# Altium PCB 磁导航.PcbDoc (part 2 of 3)
Units mm, origin at the board's own origin, x right, y up, seen from the top; angles counter-clockwise.
Board outline 190 x 34 mm, 2 copper layers (Top Layer, Bottom Layer); 294 components, 233 nets, 993 pads, 221 vias.
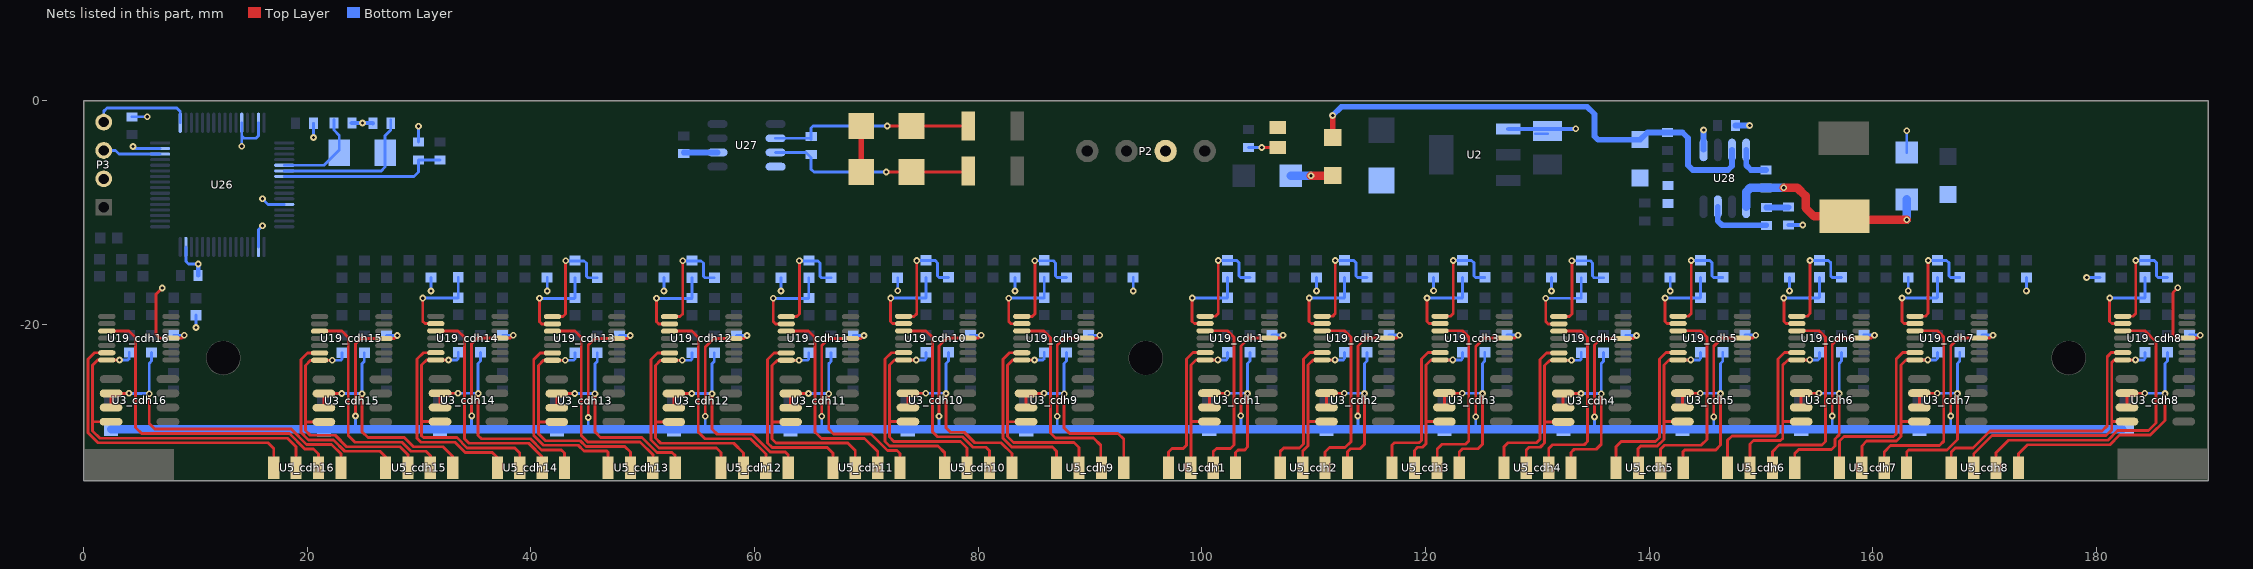
[diagram p2: the nets of this part, all layers, seen from the top]

## Via types
v1: diameter 0.6, hole 0.3, Top Layer to Bottom Layer, tented both sides, 158 vias
v2: diameter 0.6, hole 0.3, Top Layer to Bottom Layer, 47 vias
v3: diameter 0.5, hole 0.3, Top Layer to Bottom Layer, 15 vias
v4: diameter 1, hole 0.5, Top Layer to Bottom Layer, 1 vias

## Nets (pads, with @x,y where several pads share a name; then routed paths per layer and width w, separated by ;. In a path a pad name is that pad's centre, name@x,y a point inside that pad or via, vN(x,y) a via of type N, cw(c..) or ccw(c..) an arc to the next point about the centre after c; other vN are vias at no path point) (continued)
GND: C2_cdh1.1 C2_cdh2.1 C2_cdh3.1 C2_cdh4.1 C2_cdh5.1 C2_cdh6.1 C2_cdh7.1 C2_cdh8.1 C2_cdh9.1 C2_cdh10.1 C2_cdh11.1 C2_cdh12.1 C2_cdh13.1 C2_cdh14.1 C2_cdh15.1 C2_cdh16.1 C12.2 C13.2 C15.2 C16.2 C17.2 C18.1 C19.2 C20.2 C21.1 C22.2 D10.K D12.1 D13.1 D14.1 D15.1 P2.2 P3.2 R20_cdh1.1 R20_cdh2.1 R20_cdh3.1 R20_cdh4.1 R20_cdh5.1 R20_cdh6.1 R20_cdh7.1 R20_cdh8.1 R20_cdh9.1 R20_cdh10.1 R20_cdh11.1 R20_cdh12.1 R20_cdh13.1 R20_cdh14.1 R20_cdh15.1 R20_cdh16.1 R26_cdh1.1 R26_cdh2.1 R26_cdh3.1 R26_cdh4.1 R26_cdh5.1 R26_cdh6.1 R26_cdh7.1 R26_cdh8.1 R26_cdh9.1 R26_cdh10.1 R26_cdh11.1 R26_cdh12.1 R26_cdh13.1 R26_cdh14.1 R26_cdh15.1 R26_cdh16.1 R109.2 R110.2 R111.2 R112.2 U2.1 U19_cdh1.11 U19_cdh2.11 U19_cdh3.11 U19_cdh4.11 U19_cdh5.11 U19_cdh6.11 U19_cdh7.11 U19_cdh8.11 U19_cdh9.11 U19_cdh10.11 U19_cdh11.11 U19_cdh12.11 U19_cdh13.11 U19_cdh14.11 U19_cdh15.11 U19_cdh16.11 U26.12 U26.18 U26.31 U26.47 U26.60 U26.63 U27.2 U27.8 U28.5 | length 433.9
  Top Layer w0.254: v1(7.036,-16.739) 6.477,-17.297 6.477,-20.879 6.833,-21.234 U19_cdh16.11@7.828,-21.234 8.738,-21.234 v1(9,-20.972) ; v2(24.315,-28.187) 24.315,-21.729 24.791,-21.253 U19_cdh15.11@26.855,-21.253 27.788,-21.253 v1(28.05,-20.991) ; v1(34.703,-28.181) 34.703,-21.729 35.205,-21.228 U19_cdh14.11@37.243,-21.228 38.151,-21.228 v1(38.413,-20.966) ; v1(45.124,-28.326) 45.124,-21.849 45.72,-21.253 U19_cdh13.11@47.683,-21.253 48.616,-21.253 v1(48.878,-20.991) ; v1(55.589,-28.199) 55.589,-22.027 56.363,-21.253 U19_cdh12.11@58.148,-21.253 59.061,-21.253 v1(59.323,-20.991) ; v1(66.003,-28.199) 66.003,-21.9 66.65,-21.253 U19_cdh11.11@68.587,-21.253 69.52,-21.253 v1(69.782,-20.991) ; v1(76.493,-28.199) 76.493,-21.925 77.191,-21.228 U19_cdh10.11@79.077,-21.228 80.01,-21.228 v1(80.272,-20.966) ; v1(87.06,-28.199) 87.06,-21.849 87.674,-21.234 U19_cdh9.11@89.641,-21.234 90.595,-21.234 v1(90.857,-20.972) ; v1(103.48,-28.169) 103.48,-21.92 104.177,-21.223 U19_cdh1.11@106.038,-21.223 106.982,-21.223 v1(107.244,-20.961) ; v2(113.944,-28.194) 113.944,-21.92 114.642,-21.223 U19_cdh2.11@116.503,-21.223 117.436,-21.223 v1(117.698,-20.961) ; v2(124.485,-28.251) 124.485,-21.971 125.234,-21.223 U19_cdh3.11@127.044,-21.223 128.002,-21.223 v1(128.264,-20.961) ; v2(135.103,-28.27) 135.103,-21.844 135.699,-21.248 U19_cdh4.11@137.661,-21.248 138.594,-21.248 v1(138.856,-20.986) ; v2(145.771,-28.27) 145.771,-21.946 146.494,-21.223 U19_cdh5.11@148.329,-21.223 149.262,-21.223 v1(149.524,-20.961) ; v1(156.362,-28.194) 156.362,-21.793 156.933,-21.223 U19_cdh6.11@158.946,-21.223 159.879,-21.223 v1(160.141,-20.961) ; v1(166.954,-28.194) 166.954,-21.92 167.652,-21.223 U19_cdh7.11@169.513,-21.223 170.471,-21.223 v1(170.733,-20.961) ; v1(187.249,-16.713) 186.817,-17.145 186.817,-20.879 187.161,-21.223 U19_cdh8.11@188.08,-21.223 189.013,-21.223 v1(189.275,-20.961)
  Top Layer w0.508: D14.1@69.53,-6.375 D15.1@69.53,-2.261
  Bottom Layer w0.254: C13.2@4.343,-1.435 v2(5.702,-1.435) ; v2(4.421,-4.089) 4.6,-4.268 U26.47@6.845,-4.268 ; R26_cdh16.1@8.064,-20.972 v1(9,-20.972) ; U26.31@9.145,-13.068 9.145,-14.352 9.385,-14.592 v2(10.249,-14.592) ; v1(10.058,-20.274) R20_cdh16.1@10.058,-19.164 ; U26.60@14.145,-1.968 14.145,-3.147 ; v2@14.148,-4.064 v2(14.145,-4.061) 14.145,-3.147 ; U26.18@15.645,-13.068 15.645,-11.533 v2(16.002,-11.176) ; U26.63@15.645,-1.968 15.645,-3.135 15.427,-3.353 14.351,-3.353 14.145,-3.147 ; v2(16.002,-8.763) 16.507,-9.268 U26.12@17.945,-9.268 ; v2(20.561,-3.289) C15.2@20.561,-2.016 ; 24.315,-29.349 v2(24.315,-28.187) ; R26_cdh15.1@27.091,-20.991 v1(28.05,-20.991) ; C18.1@29.947,-3.696 v2(29.947,-2.286) ; v1(31.066,-17.016) R20_cdh15.1@31.066,-15.807 ; 34.703,-29.233 v1(34.703,-28.181) ; R26_cdh14.1@37.48,-20.966 v1(38.413,-20.966) ; v1(41.455,-17.016) R20_cdh14.1@41.455,-15.807 ; 45.124,-29.266 v1(45.124,-28.326) ; R26_cdh13.1@47.919,-20.991 v1(48.878,-20.991) ; v1(51.894,-17.016) R20_cdh13.1@51.894,-15.807 ; 55.589,-29.317 v1(55.589,-28.199) ; R26_cdh12.1@58.384,-20.991 v1(59.323,-20.991) ; v1(62.357,-17.018) R20_cdh12.1@62.357,-15.832 ; 66.003,-29.291 v1(66.003,-28.199) ; R26_cdh11.1@68.823,-20.991 v1(69.782,-20.991) ; v1(72.796,-16.993) R20_cdh11.1@72.796,-15.832 ; 76.493,-29.342 v1(76.493,-28.199) ; R26_cdh10.1@79.314,-20.966 v1(80.272,-20.966) ; v1(83.289,-17.016) R20_cdh10.1@83.289,-15.807 ; 87.06,-29.367 v1(87.06,-28.199) ; R26_cdh9.1@89.878,-20.972 v1(90.857,-20.972) ; v1(93.853,-17.018) R20_cdh9.1@93.853,-15.807 ; 103.48,-29.286 v1(103.48,-28.169) ; R26_cdh1.1@106.274,-20.961 v1(107.244,-20.961) ; v1(110.25,-17.004) R20_cdh1.1@110.25,-15.807 ; 113.919,-29.337 113.944,-29.312 v2(113.944,-28.194) ; R26_cdh2.1@116.739,-20.961 v1(117.698,-20.961) ; v1(120.714,-16.979) R20_cdh2.1@120.714,-15.807 ; 124.471,-29.362 124.485,-29.348 v2(124.485,-28.251) ; R26_cdh3.1@127.28,-20.961 v1(128.264,-20.961) ; C20.2@129.834,-2.946 C20.2@130.901,-2.946 ; v1(131.255,-17.006) R20_cdh3.1@131.255,-15.807 ; 135.103,-29.337 v2(135.103,-28.27) ; R26_cdh4.1@137.897,-20.986 v1(138.856,-20.986) ; v1(141.873,-17.016) R20_cdh4.1@141.873,-15.807 ; 145.771,-29.312 v2(145.771,-28.27) ; R26_cdh5.1@148.565,-20.961 v1(149.524,-20.961) ; v1(152.541,-17.004) R20_cdh5.1@152.541,-15.807 ; 156.362,-29.337 v1(156.362,-28.194) ; R26_cdh6.1@159.183,-20.961 v1(160.141,-20.961) ; D12.1@163.017,-4.631 v2(163.017,-2.692) ; v1(163.158,-17.004) R20_cdh6.1@163.158,-15.807 ; 166.954,-29.286 v1(166.954,-28.194) ; R26_cdh7.1@169.749,-20.961 v1(170.733,-20.961) ; v1(173.724,-17.004) R20_cdh7.1@173.724,-15.807 ; v1(179.103,-15.807) R20_cdh8.1@180.289,-15.807 ; R26_cdh8.1@188.316,-20.961 v1(189.275,-20.961)
  Bottom Layer w0.381: C12.2@10.249,-15.621 v2(10.249,-14.592) ; C17.2@23.989,-1.99 25.845,-1.99 C16.2@25.87,-2.016 ; U2.1@127.398,-2.526 133.398,-2.526 v2(133.415,-2.509) ; R112.2@152.451,-11.112 v2(153.734,-11.112)
  Bottom Layer w0.508: C19.2@53.67,-4.635 53.683,-4.623 U27.2@56.684,-4.623 ; U28.5@144.856,-4.394 v2(144.856,-2.616) ; R111.2@147.714,-2.21 v2(148.971,-2.21)
  Bottom Layer w0.762: C2_cdh16.1@2.464,-29.362 19.66,-29.362 19.665,-29.367 C2_cdh15.1@21.502,-29.367 C2_cdh14.1@31.866,-29.367 C2_cdh13.1@42.33,-29.367 C2_cdh12.1@52.795,-29.367 C2_cdh11.1@63.209,-29.367 C2_cdh10.1@73.699,-29.367 C2_cdh9.1@84.291,-29.367 87.06,-29.367 ; 85.217,-29.362 C2_cdh1.1@100.66,-29.362 C2_cdh2.1@111.15,-29.362 C2_cdh3.1@121.691,-29.362 124.471,-29.362 C2_cdh4.1@132.334,-29.362 C2_cdh5.1@142.977,-29.362 C2_cdh6.1@153.594,-29.362 C2_cdh7.1@164.16,-29.362 C2_cdh8.1@182.27,-29.362
  other v2: 24.943,-1.99
H1_IN1_cdh1: R6_cdh1.1 U3_cdh1.2 U3_cdh1.3 U5_cdh1.4 | length 16
  Top Layer w0.254: U3_cdh1.3@100.674,-27.42 U3_cdh1.2@100.674,-26.15 v1(102.274,-26.15) ; U3_cdh1.3@101.019,-27.384 U3_cdh1.3@101.07,-27.435 ; U5_cdh1.4@103.048,-32.791 U5_cdh1.4@103.007,-32.832 103.007,-31.46 103.251,-31.217 103.835,-31.217 104.077,-30.974 v1(104.077,-26.176)
  Bottom Layer w0.254: v1(102.274,-26.15) 104.052,-26.15 v1(104.077,-26.176) 104.077,-23.483 104.287,-23.274 R6_cdh1.1@104.287,-22.501
H1_IN1_cdh2: R6_cdh2.1 U3_cdh2.2 U3_cdh2.3 U5_cdh2.4 | length 16.3
  Top Layer w0.254: U3_cdh2.3@111.139,-27.42 U3_cdh2.2@111.139,-26.15 v1(112.739,-26.15) ; U3_cdh2.3@111.484,-27.384 U3_cdh2.3@111.534,-27.435 ; U5_cdh2.4@113.01,-32.829 113.01,-31.389 113.284,-31.115 114.148,-31.115 114.542,-30.72 v1(114.542,-26.176)
  Bottom Layer w0.254: v1(112.739,-26.15) 114.517,-26.15 v1(114.542,-26.176) 114.542,-23.483 114.752,-23.274 R6_cdh2.1@114.752,-22.501
H1_IN1_cdh3: R6_cdh3.1 U3_cdh3.2 U3_cdh3.3 U5_cdh3.4 | length 16.8
  Top Layer w0.254: U3_cdh3.3@121.68,-27.42 U3_cdh3.2@121.68,-26.15 v1(123.28,-26.15) ; U3_cdh3.3@122.025,-27.384 U3_cdh3.3@122.075,-27.435 ; U5_cdh3.4@123.007,-32.832 123.007,-31.42 123.312,-31.115 124.689,-31.115 125.083,-30.72 v1(125.083,-26.176)
  Bottom Layer w0.254: v1(123.28,-26.15) 125.058,-26.15 v1(125.083,-26.176) 125.083,-23.483 125.293,-23.274 R6_cdh3.1@125.293,-22.501
H1_IN1_cdh4: R6_cdh4.1 U3_cdh4.2 U3_cdh4.3 U5_cdh4.4 | length 17.4
  Top Layer w0.254: U3_cdh4.3@132.297,-27.446 U3_cdh4.2@132.297,-26.176 v1(133.897,-26.176) ; U3_cdh4.3@132.642,-27.41 U3_cdh4.3@132.693,-27.46 ; U5_cdh4.4@133.007,-32.832 133.007,-31.445 133.287,-31.166 135.255,-31.166 135.7,-30.72 v1(135.7,-26.201)
  Bottom Layer w0.254: v1(133.897,-26.176) 135.675,-26.176 v1(135.7,-26.201) 135.7,-23.509 135.91,-23.299 R6_cdh4.1@135.91,-22.526
H1_IN1_cdh5: R6_cdh5.1 U3_cdh5.2 U3_cdh5.3 U5_cdh5.4 | length 18.2
  Top Layer w0.254: U3_cdh5.3@142.965,-27.42 U3_cdh5.2@142.965,-26.15 v1(144.565,-26.15) ; U5_cdh5.4@143.007,-32.832 143.007,-31.389 143.18,-31.217 145.948,-31.217 146.368,-30.797 v1(146.368,-26.176) ; U3_cdh5.3@143.31,-27.384 U3_cdh5.3@143.361,-27.435
  Bottom Layer w0.254: v1(144.565,-26.15) 146.343,-26.15 v1(146.368,-26.176) 146.368,-23.483 146.578,-23.274 R6_cdh5.1@146.578,-22.501
H1_IN1_cdh6: R6_cdh6.1 U3_cdh6.2 U3_cdh6.3 U5_cdh6.4 | length 18.5
  Top Layer w0.254: U5_cdh6.4@153.007,-32.832 153.007,-31.547 153.363,-31.191 156.286,-31.191 156.601,-30.876 156.601,-30.251 156.986,-29.866 v1(156.986,-26.176) ; U3_cdh6.3@153.582,-27.42 U3_cdh6.2@153.582,-26.15 v1(155.182,-26.15) ; U3_cdh6.3@153.927,-27.384 U3_cdh6.3@153.978,-27.435
  Bottom Layer w0.254: v1(155.182,-26.15) 156.96,-26.15 v1(156.986,-26.176) 156.986,-23.483 157.195,-23.274 R6_cdh6.1@157.195,-22.501
H1_IN1_cdh7: R6_cdh7.1 U3_cdh7.2 U3_cdh7.3 U5_cdh7.4 | length 19.1
  Top Layer w0.254: U5_cdh7.4@163.007,-32.832 163.017,-32.822 163.017,-31.42 163.195,-31.242 166.61,-31.242 167.552,-30.3 v1(167.552,-26.176) ; U3_cdh7.3@164.148,-27.42 U3_cdh7.2@164.148,-26.15 v1(165.749,-26.15) ; U3_cdh7.3@164.493,-27.384 U3_cdh7.3@164.544,-27.435
  Bottom Layer w0.254: v1(165.749,-26.15) 167.527,-26.15 v1(167.552,-26.176) 167.552,-23.483 167.762,-23.274 R6_cdh7.1@167.762,-22.501
H1_IN1_cdh8: R6_cdh8.1 U3_cdh8.2 U3_cdh8.3 U5_cdh8.4 | length 26.5
  Top Layer w0.254: U5_cdh8.4@173.007,-32.832 173.007,-31.564 173.812,-30.759 181.185,-30.759 182.048,-29.896 184.801,-29.896 186.119,-28.577 v1(186.119,-26.176) ; U3_cdh8.3@182.716,-27.42 U3_cdh8.2@182.716,-26.15 v1(184.316,-26.15) ; U3_cdh8.3@183.061,-27.384 U3_cdh8.3@183.112,-27.435
  Bottom Layer w0.254: v1(184.316,-26.15) 186.094,-26.15 v1(186.119,-26.176) 186.119,-23.483 186.329,-23.274 R6_cdh8.1@186.329,-22.501
H1_IN1_cdh9: R6_cdh9.1 U3_cdh9.2 U3_cdh9.3 U5_cdh9.4 | length 19.9
  Top Layer w0.254: U3_cdh9.3@84.277,-27.432 U3_cdh9.2@84.277,-26.162 v1(85.877,-26.162) ; U3_cdh9.3@84.622,-27.396 U3_cdh9.3@84.673,-27.447 ; v1(87.681,-26.187) 87.681,-29.235 88.189,-29.743 92.507,-29.743 93.007,-30.244 U5_cdh9.4@93.007,-32.832
  Bottom Layer w0.254: v1(85.877,-26.162) 87.655,-26.162 v1(87.681,-26.187) 87.681,-23.495 87.89,-23.285 R6_cdh9.1@87.89,-22.512
H1_IN1_cdh10: R6_cdh10.1 U3_cdh10.2 U3_cdh10.3 U5_cdh10.4 | length 19.7
  Top Layer w0.254: U3_cdh10.3@73.713,-27.425 U3_cdh10.2@73.713,-26.155 v1(75.313,-26.155) ; U3_cdh10.3@74.058,-27.389 U3_cdh10.3@74.109,-27.44 ; v1(77.117,-26.181) 77.117,-29.238 77.521,-29.642 78.746,-29.642 79.686,-30.582 82.042,-30.582 83.007,-31.547 U5_cdh10.4@83.007,-32.832
  Bottom Layer w0.254: v1(75.313,-26.155) 77.091,-26.155 v1(77.117,-26.181) 77.117,-23.488 77.326,-23.279 R6_cdh10.1@77.326,-22.506
H1_IN1_cdh11: R6_cdh11.1 U3_cdh11.2 U3_cdh11.3 U5_cdh11.4 | length 20.2
  Top Layer w0.254: U3_cdh11.3@63.223,-27.451 U3_cdh11.2@63.223,-26.181 v1(64.823,-26.181) ; U3_cdh11.3@63.568,-27.415 U3_cdh11.3@63.619,-27.465 ; v1(66.626,-26.206) 66.626,-29.365 67.056,-29.794 70.418,-29.794 71.891,-31.267 72.728,-31.267 73.007,-31.547 U5_cdh11.4@73.007,-32.832
  Bottom Layer w0.254: v1(64.823,-26.181) 66.601,-26.181 v1(66.626,-26.206) 66.626,-23.514 66.836,-23.304 R6_cdh11.1@66.836,-22.531
H1_IN1_cdh12: R6_cdh12.1 U3_cdh12.2 U3_cdh12.3 U5_cdh12.4 | length 20.6
  Top Layer w0.254: U3_cdh12.3@52.783,-27.451 U3_cdh12.2@52.783,-26.181 v1(54.384,-26.181) ; U3_cdh12.3@53.128,-27.415 U3_cdh12.3@53.179,-27.465 ; v1(56.187,-26.206) 56.187,-29.339 56.667,-29.82 59.808,-29.82 61.408,-31.42 62.738,-31.42 63.007,-31.689 U5_cdh12.4@63.007,-32.832
  Bottom Layer w0.254: v1(54.384,-26.181) 56.162,-26.181 v1(56.187,-26.206) 56.187,-23.514 56.397,-23.304 R6_cdh12.1@56.397,-22.531
H1_IN1_cdh13: R6_cdh13.1 U3_cdh13.2 U3_cdh13.3 U5_cdh13.4 | length 21.1
  Top Layer w0.254: U3_cdh13.3@42.319,-27.451 U3_cdh13.2@42.319,-26.181 v1(43.919,-26.181) ; U3_cdh13.3@42.664,-27.415 U3_cdh13.3@42.714,-27.465 ; v1(45.722,-26.206) 45.722,-29.593 46.228,-30.099 49.927,-30.099 51.273,-31.445 52.624,-31.445 52.903,-31.725 U5_cdh13.4@52.903,-32.832
  Bottom Layer w0.254: v1(43.919,-26.181) 45.697,-26.181 v1(45.722,-26.206) 45.722,-23.514 45.932,-23.304 R6_cdh13.1@45.932,-22.531
H1_IN1_cdh14: R6_cdh14.1 U3_cdh14.2 U3_cdh14.3 U5_cdh14.4 | length 22
  Top Layer w0.254: U3_cdh14.3@31.879,-27.425 U3_cdh14.2@31.879,-26.155 v1(33.479,-26.155) ; U3_cdh14.3@32.224,-27.389 U3_cdh14.3@32.275,-27.44 ; v1(35.283,-26.181) 35.283,-29.923 35.585,-30.226 39.97,-30.226 40.961,-31.217 42.719,-31.217 43.007,-31.505 U5_cdh14.4@43.007,-32.832
  Bottom Layer w0.254: v1(33.479,-26.155) 35.257,-26.155 v1(35.283,-26.181) 35.283,-23.488 35.492,-23.279 R6_cdh14.1@35.492,-22.506
H1_IN1_cdh15: R6_cdh15.1 U3_cdh15.2 U3_cdh15.3 U5_cdh15.4 | length 22
  Top Layer w0.254: U3_cdh15.3@21.491,-27.451 U3_cdh15.2@21.491,-26.181 v1(23.091,-26.181) ; U3_cdh15.3@21.836,-27.415 U3_cdh15.3@21.886,-27.465 ; v1(24.894,-26.206) 24.894,-29.593 25.425,-30.124 28.677,-30.124 29.489,-30.937 32.131,-30.937 33.007,-31.814 U5_cdh15.4@33.007,-32.832
  Bottom Layer w0.254: v1(23.091,-26.181) 24.869,-26.181 v1(24.894,-26.206) 24.894,-23.514 25.104,-23.304 R6_cdh15.1@25.104,-22.531
H1_IN1_cdh16: R6_cdh16.1 U3_cdh16.2 U3_cdh16.3 U5_cdh16.4 | length 30.7
  Top Layer w0.254: U3_cdh16.3@2.464,-27.432 U3_cdh16.2@2.464,-26.162 v1(4.064,-26.162) ; U3_cdh16.3@2.809,-27.396 U3_cdh16.3@2.86,-27.447 ; v1(5.867,-26.187) 5.867,-28.866 6.364,-29.362 18.574,-29.362 19.945,-30.734 22.174,-30.734 23.007,-31.567 U5_cdh16.4@23.007,-32.832
  Bottom Layer w0.254: v1(4.064,-26.162) 5.842,-26.162 v1(5.867,-26.187) 5.867,-23.495 6.077,-23.285 R6_cdh16.1@6.077,-22.512
H1_IN3_cdh1: R18_cdh1.1 U3_cdh1.4 U5_cdh1.2 U19_cdh1.7 | length 15.3
  Top Layer w0.254: U5_cdh1.2@99.007,-32.832 99.023,-32.816 99.023,-28.69 ; U19_cdh1.7@100.288,-23.162 100.608,-23.162 U19_cdh1.7@100.613,-23.168 ; U3_cdh1.4@100.674,-28.69 99.023,-28.69 ; v1(101.43,-23.173) U19_cdh1.7@100.288,-23.173 99.486,-23.173 99.023,-23.636 99.023,-28.69
  Bottom Layer w0.254: v1(101.43,-23.173) 102.178,-23.173 102.299,-23.051 R18_cdh1.1@102.299,-22.501
H1_IN3_cdh2: R18_cdh2.1 U3_cdh2.4 U5_cdh2.2 U19_cdh2.7 | length 15.4
  Top Layer w0.254: U5_cdh2.2@109.01,-32.829 109.01,-31.325 109.488,-30.847 109.488,-28.69 ; U19_cdh2.7@110.753,-23.162 111.072,-23.162 U19_cdh2.7@111.078,-23.168 ; U3_cdh2.4@111.139,-28.69 109.488,-28.69 ; v1(111.895,-23.173) U19_cdh2.7@110.753,-23.173 109.951,-23.173 109.488,-23.636 109.488,-28.69
  Bottom Layer w0.254: v1(111.895,-23.173) 112.643,-23.173 112.764,-23.051 R18_cdh2.1@112.764,-22.501
H1_IN3_cdh3: R18_cdh3.1 U3_cdh3.4 U5_cdh3.2 U19_cdh3.7 | length 17.3
  Top Layer w0.254: U5_cdh3.2@119.007,-32.832 119.007,-31.267 119.287,-30.988 119.71,-30.988 120.029,-30.67 120.029,-28.69 ; U3_cdh3.4@121.148,-28.681 U3_cdh3.4@122.519,-28.681 ; U19_cdh3.7@121.294,-23.162 121.613,-23.162 U19_cdh3.7@121.619,-23.168 ; U3_cdh3.4@121.68,-28.69 120.029,-28.69 ; v1(122.436,-23.173) U19_cdh3.7@121.294,-23.173 120.492,-23.173 120.029,-23.636 120.029,-28.69
  Bottom Layer w0.254: v1(122.436,-23.173) 123.184,-23.173 123.305,-23.051 R18_cdh3.1@123.305,-22.501
H1_IN3_cdh4: R18_cdh4.1 U3_cdh4.4 U5_cdh4.2 U19_cdh4.7 | length 16.5
  Top Layer w0.254: U5_cdh4.2@129.007,-32.832 129.007,-31.217 129.236,-30.988 130.251,-30.988 130.646,-30.593 130.646,-28.716 ; U19_cdh4.7@131.911,-23.187 132.231,-23.187 U19_cdh4.7@132.236,-23.193 ; U3_cdh4.4@132.297,-28.716 130.646,-28.716 ; v1(133.053,-23.198) U19_cdh4.7@131.911,-23.198 131.109,-23.198 130.646,-23.661 130.646,-28.716
  Bottom Layer w0.254: v1(133.053,-23.198) 133.801,-23.198 133.922,-23.077 R18_cdh4.1@133.922,-22.526
H1_IN3_cdh5: R18_cdh5.1 U3_cdh5.4 U5_cdh5.2 U19_cdh5.7 | length 17.1
  Top Layer w0.254: U5_cdh5.2@139.007,-32.832 139.007,-31.115 139.236,-30.886 140.712,-30.886 141.314,-30.285 141.314,-28.69 ; U19_cdh5.7@142.579,-23.162 142.899,-23.162 U19_cdh5.7@142.904,-23.168 ; U3_cdh5.4@142.965,-28.69 141.314,-28.69 ; v1(143.721,-23.173) U19_cdh5.7@142.579,-23.173 141.777,-23.173 141.314,-23.636 141.314,-28.69
  Bottom Layer w0.254: v1(143.721,-23.173) 144.469,-23.173 144.59,-23.051 R18_cdh5.1@144.59,-22.501
H1_IN3_cdh6: R18_cdh6.1 U3_cdh6.4 U5_cdh6.2 U19_cdh6.7 | length 17.9
  Top Layer w0.254: U5_cdh6.2@149.007,-32.832 149.007,-30.698 149.327,-30.378 151.74,-30.378 151.931,-30.187 151.931,-28.69 ; U19_cdh6.7@153.196,-23.162 153.516,-23.162 U19_cdh6.7@153.522,-23.168 ; U3_cdh6.4@153.582,-28.69 151.931,-28.69 ; v1(154.338,-23.173) U19_cdh6.7@153.196,-23.173 152.394,-23.173 151.931,-23.636 151.931,-28.69
  Bottom Layer w0.254: v1(154.338,-23.173) 155.086,-23.173 155.208,-23.051 R18_cdh6.1@155.208,-22.501
H1_IN3_cdh7: R18_cdh7.1 U3_cdh7.4 U5_cdh7.2 U19_cdh7.7 | length 18.3
  Top Layer w0.254: U5_cdh7.2@159.007,-32.832 159.007,-30.858 159.436,-30.429 162.103,-30.429 162.497,-30.035 162.497,-28.69 ; U19_cdh7.7@163.763,-23.162 164.082,-23.162 U19_cdh7.7@164.088,-23.168 ; U3_cdh7.4@164.148,-28.69 162.497,-28.69 ; v1(164.905,-23.173) U19_cdh7.7@163.763,-23.173 162.96,-23.173 162.497,-23.636 162.497,-28.69
  Bottom Layer w0.254: v1(164.905,-23.173) 165.653,-23.173 165.774,-23.051 R18_cdh7.1@165.774,-22.501
H1_IN3_cdh8: R18_cdh8.1 U3_cdh8.4 U5_cdh8.2 U19_cdh8.7 | length 25.9
  Top Layer w0.254: U5_cdh8.2@169.007,-32.832 169.007,-31.573 170.634,-29.947 180.848,-29.947 181.356,-29.439 181.356,-23.393 181.577,-23.173 U19_cdh8.7@182.33,-23.173 v1(183.472,-23.173) ; 181.395,-28.69 U3_cdh8.4@182.716,-28.69 ; U19_cdh8.7@182.33,-23.162 182.65,-23.162 U19_cdh8.7@182.655,-23.168
  Bottom Layer w0.254: v1(183.472,-23.173) 184.22,-23.173 184.341,-23.051 R18_cdh8.1@184.341,-22.501
H1_IN3_cdh9: R18_cdh9.1 U3_cdh9.4 U5_cdh9.2 U19_cdh9.7 | length 21
  Top Layer w0.254: U19_cdh9.7@83.891,-23.174 84.211,-23.174 U19_cdh9.7@84.217,-23.18 ; U3_cdh9.4@84.277,-28.702 82.626,-28.702 ; v1(85.033,-23.184) U19_cdh9.7@83.891,-23.184 83.089,-23.184 82.626,-23.647 82.626,-28.702 ; U5_cdh9.2@89.007,-32.832 89.007,-30.995 88.569,-30.556 83.166,-30.556 82.626,-30.016 82.626,-28.702
  Bottom Layer w0.254: v1(85.033,-23.184) 85.782,-23.184 85.903,-23.063 R18_cdh9.1@85.903,-22.512
H1_IN3_cdh10: R18_cdh10.1 U3_cdh10.4 U5_cdh10.2 U19_cdh10.7 | length 21.6
  Top Layer w0.254: U19_cdh10.7@73.327,-23.167 73.647,-23.167 U19_cdh10.7@73.653,-23.173 ; U3_cdh10.4@73.713,-28.695 72.062,-28.695 ; v1(74.469,-23.178) U19_cdh10.7@73.327,-23.178 72.525,-23.178 72.062,-23.641 72.062,-28.695 ; U5_cdh10.2@79.007,-32.832 79.007,-31.686 ; 72.062,-28.695 72.062,-30.076 72.441,-30.455 78.41,-30.455 79.007,-31.052 79.007,-31.662 ; 79.007,-31.686 79.019,-31.674 79.007,-31.662 ; 79.007,-31.686 79.007,-31.662
  Bottom Layer w0.254: v1(74.469,-23.178) 75.217,-23.178 75.339,-23.056 R18_cdh10.1@75.339,-22.506
H1_IN3_cdh11: R18_cdh11.1 U3_cdh11.4 U5_cdh11.2 U19_cdh11.7 | length 22
  Top Layer w0.254: U19_cdh11.7@62.837,-23.192 63.157,-23.192 U19_cdh11.7@63.162,-23.198 ; U3_cdh11.4@63.223,-28.721 61.572,-28.721 ; v1(63.979,-23.203) U19_cdh11.7@62.837,-23.203 62.035,-23.203 61.572,-23.666 61.572,-28.721 ; U5_cdh11.2@69.007,-32.832 69.007,-31.288 68.326,-30.607 61.925,-30.607 61.572,-30.254 61.572,-28.721
  Bottom Layer w0.254: v1(63.979,-23.203) 64.727,-23.203 64.848,-23.082 R18_cdh11.1@64.848,-22.531
H1_IN3_cdh12: R18_cdh12.1 U3_cdh12.4 U5_cdh12.2 U19_cdh12.7 | length 22.3
  Top Layer w0.254: U19_cdh12.7@52.398,-23.192 52.717,-23.192 U19_cdh12.7@52.723,-23.198 ; U3_cdh12.4@52.783,-28.721 51.132,-28.721 ; v1(53.54,-23.203) U19_cdh12.7@52.398,-23.203 51.595,-23.203 51.132,-23.666 51.132,-28.721 ; U5_cdh12.2@59.007,-32.832 59.007,-31.499 58.141,-30.632 51.61,-30.632 51.132,-30.155 51.132,-28.721
  Bottom Layer w0.254: v1(53.54,-23.203) 54.288,-23.203 54.409,-23.082 R18_cdh12.1@54.409,-22.531
H1_IN3_cdh13: R18_cdh13.1 U3_cdh13.4 U5_cdh13.2 U19_cdh13.7 | length 22.5
  Top Layer w0.254: U19_cdh13.7@41.933,-23.192 42.252,-23.192 U19_cdh13.7@42.258,-23.198 ; U3_cdh13.4@42.319,-28.721 40.668,-28.721 ; v1(43.075,-23.203) U19_cdh13.7@41.933,-23.203 41.131,-23.203 40.668,-23.666 40.668,-28.721 ; U5_cdh13.2@48.87,-32.798 U5_cdh13.2@48.903,-32.832 48.903,-31.42 48.395,-30.912 44.917,-30.912 44.409,-30.404 41.297,-30.404 40.668,-29.774 40.668,-28.721
  Bottom Layer w0.254: v1(43.075,-23.203) 43.823,-23.203 43.944,-23.082 R18_cdh13.1@43.944,-22.531
H1_IN3_cdh14: R18_cdh14.1 U3_cdh14.4 U5_cdh14.2 U19_cdh14.7 | length 24.5
  Top Layer w0.254: 30.751,-28.671 U3_cdh14.4@32.122,-28.671 ; U19_cdh14.7@31.493,-23.167 31.813,-23.167 U19_cdh14.7@31.819,-23.173 ; U3_cdh14.4@31.879,-28.695 30.228,-28.695 ; v1(32.635,-23.178) U19_cdh14.7@31.493,-23.178 30.691,-23.178 30.228,-23.641 30.228,-28.695 ; U5_cdh14.2@39.007,-32.832 39.007,-31.489 38.557,-31.039 34.299,-31.039 33.385,-30.124 30.404,-30.124 30.228,-29.949 30.228,-28.695
  Bottom Layer w0.254: v1(32.635,-23.178) 33.384,-23.178 33.505,-23.056 R18_cdh14.1@33.505,-22.506
H1_IN3_cdh15: R18_cdh15.1 U3_cdh15.4 U5_cdh15.2 U19_cdh15.7 | length 23.1
  Top Layer w0.254: 19.872,-28.721 U3_cdh15.4@21.491,-28.721 ; U19_cdh15.7@21.105,-23.192 21.424,-23.192 U19_cdh15.7@21.43,-23.198 ; v1(22.247,-23.203) U19_cdh15.7@21.105,-23.203 20.303,-23.203 19.84,-23.666 19.84,-29.479 20.276,-29.915 22.504,-29.915 23.527,-30.937 28.296,-30.937 29.007,-31.649 U5_cdh15.2@29.007,-32.832
  Bottom Layer w0.254: v1(22.247,-23.203) 22.995,-23.203 23.116,-23.082 R18_cdh15.1@23.116,-22.531
H1_IN3_cdh16: R18_cdh16.1 U3_cdh16.4 U5_cdh16.2 U19_cdh16.7 | length 32.6
  Top Layer w0.254: U19_cdh16.7@2.078,-23.174 2.398,-23.174 U19_cdh16.7@2.403,-23.18 ; U3_cdh16.4@2.464,-28.702 0.813,-28.702 ; v1(3.22,-23.184) U19_cdh16.7@2.078,-23.184 1.276,-23.184 0.813,-23.647 0.813,-28.702 ; U5_cdh16.2@19.007,-32.832 19.007,-30.945 18.237,-30.175 1.464,-30.175 0.813,-29.524 0.813,-28.702
  Bottom Layer w0.254: v1(3.22,-23.184) 3.968,-23.184 4.089,-23.063 R18_cdh16.1@4.089,-22.512
H1_OUT2_cdh1: U5_cdh1.3 U19_cdh1.3 | length 16
  Top Layer w0.254: U19_cdh1.3@100.288,-20.573 102.284,-20.573 102.858,-21.146 102.858,-30.797 102.565,-31.09 101.295,-31.09 101.007,-31.377 U5_cdh1.3@101.007,-32.832
H1_OUT2_cdh2: U5_cdh2.3 U19_cdh2.3 | length 16.3
  Top Layer w0.254: U19_cdh2.3@110.753,-20.573 112.749,-20.573 113.323,-21.146 113.323,-30.492 112.801,-31.013 111.404,-31.013 111.01,-31.408 U5_cdh2.3@111.01,-32.829
H1_OUT2_cdh3: U5_cdh3.3 U19_cdh3.3 | length 16.9
  Top Layer w0.254: U5_cdh3.3@121.007,-32.832 121.006,-32.83 121.039,-32.796 121.039,-31.148 121.479,-30.709 123.571,-30.709 123.864,-30.416 123.864,-21.146 123.29,-20.573 U19_cdh3.3@121.294,-20.573
H1_OUT2_cdh4: U5_cdh4.3 U19_cdh4.3 | length 17.6
  Top Layer w0.254: U5_cdh4.3@131.007,-32.832 131.007,-31.09 131.338,-30.759 134.188,-30.759 134.481,-30.466 134.481,-21.172 133.907,-20.598 U19_cdh4.3@131.911,-20.598
H1_OUT2_cdh5: U5_cdh5.3 U19_cdh5.3 | length 18.1
  Top Layer w0.254: U5_cdh5.3@141.007,-32.832 141.007,-31.166 141.363,-30.81 144.628,-30.81 145.149,-30.289 145.149,-21.146 144.575,-20.573 U19_cdh5.3@142.579,-20.573
H1_OUT2_cdh6: U5_cdh6.3 U19_cdh6.3 | length 18.7
  Top Layer w0.254: U5_cdh6.3@151.007,-32.832 151.007,-31.39 151.613,-30.785 155.448,-30.785 155.766,-30.466 155.766,-21.146 155.193,-20.573 U19_cdh6.3@153.196,-20.573
H1_OUT2_cdh7: U5_cdh7.3 U19_cdh7.3 | length 19.3
  Top Layer w0.254: U5_cdh7.3@161.007,-32.832 161.007,-31.398 161.569,-30.836 165.938,-30.836 166.333,-30.441 166.333,-21.146 165.759,-20.573 U19_cdh7.3@163.763,-20.573
H1_OUT2_cdh8: U5_cdh8.3 U19_cdh8.3 | length 27.4
  Top Layer w0.254: U5_cdh8.3@171.007,-32.832 171.007,-31.481 172.136,-30.353 181.016,-30.353 181.88,-29.489 184.633,-29.489 185.318,-28.804 185.318,-21.565 184.326,-20.573 U19_cdh8.3@182.33,-20.573
H1_OUT2_cdh9: U5_cdh9.3 U19_cdh9.3 | length 18.4
  Top Layer w0.254: U19_cdh9.3@83.891,-20.584 85.888,-20.584 86.462,-21.158 86.462,-29.718 86.893,-30.15 90.297,-30.15 90.957,-30.81 90.957,-32.782 U5_cdh9.3@91.007,-32.832
H1_OUT2_cdh10: U5_cdh10.3 U19_cdh10.3 | length 18.6
  Top Layer w0.254: U19_cdh10.3@73.327,-20.578 75.324,-20.578 75.897,-21.151 75.897,-29.593 76.352,-30.048 78.578,-30.048 79.518,-30.988 80.703,-30.988 81.007,-31.293 U5_cdh10.3@81.007,-32.832
H1_OUT2_cdh11: U5_cdh11.3 U19_cdh11.3 | length 19
  Top Layer w0.254: U19_cdh11.3@62.837,-20.603 64.833,-20.603 65.407,-21.177 65.407,-29.635 65.973,-30.201 69.839,-30.201 71.007,-31.369 U5_cdh11.3@71.007,-32.832
H1_OUT2_cdh12: U5_cdh12.3 U19_cdh12.3 | length 19.4
  Top Layer w0.254: U19_cdh12.3@52.398,-20.603 54.394,-20.603 54.968,-21.177 54.968,-29.635 55.559,-30.226 59.639,-30.226 61.007,-31.594 U5_cdh12.3@61.007,-32.832
H1_OUT2_cdh13: U5_cdh13.3 U19_cdh13.3 | length 19.9
  Top Layer w0.254: U19_cdh13.3@41.933,-20.603 43.929,-20.603 44.503,-21.177 44.503,-29.923 45.085,-30.505 49.759,-30.505 50.903,-31.65 U5_cdh13.3@50.903,-32.832
H1_OUT2_cdh14: U5_cdh14.3 U19_cdh14.3 | length 20.5
  Top Layer w0.254: U19_cdh14.3@31.493,-20.578 33.49,-20.578 34.064,-21.151 34.064,-30.228 34.468,-30.632 39.802,-30.632 41.007,-31.838 U5_cdh14.3@41.007,-32.832
H1_OUT2_cdh15: U5_cdh15.3 U19_cdh15.3 | length 20.7
  Top Layer w0.254: U19_cdh15.3@21.105,-20.603 23.101,-20.603 23.675,-21.177 23.675,-29.923 24.282,-30.531 28.464,-30.531 29.277,-31.344 30.607,-31.344 31.007,-31.744 U5_cdh15.3@31.007,-32.832
H1_OUT2_cdh16: U5_cdh16.3 U19_cdh16.3 | length 29.5
  Top Layer w0.254: U19_cdh16.3@2.078,-20.584 4.074,-20.584 4.648,-21.158 4.648,-29.21 5.207,-29.769 18.406,-29.769 19.777,-31.14 20.574,-31.14 21.007,-31.574 U5_cdh16.3@21.007,-32.832
H1_OUT4_cdh1: U5_cdh1.1 U19_cdh1.6 | length 13.2
  Top Layer w0.254: U5_cdh1.1@97.007,-32.832 97.007,-31.415 97.333,-31.09 98.337,-31.09 98.616,-30.81 98.616,-23.102 99.196,-22.523 U19_cdh1.6@100.288,-22.523 ; U19_cdh1.6@100.288,-22.512 U19_cdh1.6@100.608,-22.512
H1_OUT4_cdh2: U5_cdh2.1 U19_cdh2.6 | length 13.6
  Top Layer w0.254: U5_cdh2.1@107.007,-32.832 U5_cdh2.1@107.01,-32.829 107.01,-31.344 107.315,-31.039 108.721,-31.039 109.081,-30.679 109.081,-23.102 109.661,-22.523 U19_cdh2.6@110.753,-22.523 ; U19_cdh2.6@110.753,-22.512 U19_cdh2.6@111.072,-22.512
H1_OUT4_cdh3: U5_cdh3.1 U19_cdh3.6 | length 14.3
  Top Layer w0.254: U5_cdh3.1@117.007,-32.832 117.007,-30.785 117.211,-30.582 119.405,-30.582 119.622,-30.365 119.622,-23.102 120.202,-22.523 U19_cdh3.6@121.294,-22.523 ; U19_cdh3.6@121.294,-22.512 U19_cdh3.6@121.613,-22.512
H1_OUT4_cdh4: U5_cdh4.1 U19_cdh4.6 | length 14.8
  Top Layer w0.254: U5_cdh4.1@127.007,-32.832 127.007,-30.937 127.363,-30.582 129.921,-30.582 130.239,-30.263 130.239,-23.128 130.819,-22.548 U19_cdh4.6@131.911,-22.548 ; U19_cdh4.6@131.911,-22.537 U19_cdh4.6@132.231,-22.537
H1_OUT4_cdh5: U5_cdh5.1 U19_cdh5.6 | length 15.4
  Top Layer w0.254: U5_cdh5.1@137.007,-32.832 U5_cdh5.1@137.033,-32.806 137.033,-30.937 137.49,-30.48 140.544,-30.48 140.907,-30.116 140.907,-23.102 141.487,-22.523 U19_cdh5.6@142.579,-22.523 ; U19_cdh5.6@142.579,-22.512 U19_cdh5.6@142.899,-22.512
H1_OUT4_cdh6: U5_cdh6.1 U19_cdh6.6 | length 16.1
  Top Layer w0.254: U5_cdh6.1@147.007,-32.832 147.007,-30.361 147.396,-29.972 151.282,-29.972 151.525,-29.73 151.525,-23.102 152.104,-22.523 U19_cdh6.6@153.196,-22.523 ; U19_cdh6.6@153.196,-22.512 U19_cdh6.6@153.516,-22.512
H1_OUT4_cdh7: U5_cdh7.1 U19_cdh7.6 | length 16.7
  Top Layer w0.254: U5_cdh7.1@157.007,-32.832 157.007,-30.419 157.404,-30.023 161.849,-30.023 162.091,-29.781 162.091,-23.102 162.671,-22.523 U19_cdh7.6@163.763,-22.523 ; U19_cdh7.6@163.763,-22.512 U19_cdh7.6@164.082,-22.512
H1_OUT4_cdh8: U5_cdh8.1 U19_cdh8.6 | length 24.4
  Top Layer w0.254: U5_cdh8.1@167.007,-32.832 167.007,-31.42 167.363,-31.064 168.942,-31.064 170.466,-29.54 180.467,-29.54 180.95,-29.058 180.95,-22.885 181.312,-22.523 U19_cdh8.6@182.33,-22.523 ; U19_cdh8.6@182.33,-22.512 U19_cdh8.6@182.65,-22.512
H1_OUT4_cdh9: U5_cdh9.1 U19_cdh9.6 | length 16.1
  Top Layer w0.254: U19_cdh9.6@83.891,-22.534 82.799,-22.534 82.22,-23.114 82.22,-30.185 82.998,-30.963 86.626,-30.963 87.007,-31.344 U5_cdh9.1@87.007,-32.832 ; U19_cdh9.6@83.891,-22.524 U19_cdh9.6@84.211,-22.524
H1_OUT4_cdh10: U5_cdh10.1 U19_cdh10.6 | length 16.7
  Top Layer w0.254: U19_cdh10.6@73.327,-22.528 72.235,-22.528 71.656,-23.107 71.656,-30.457 72.06,-30.861 76.398,-30.861 77.007,-31.471 U5_cdh10.1@77.007,-32.832 ; U19_cdh10.6@73.327,-22.517 U19_cdh10.6@73.647,-22.517
H1_OUT4_cdh11: U5_cdh11.1 U19_cdh11.6 | length 17.2
  Top Layer w0.254: U19_cdh11.6@62.837,-22.553 61.745,-22.553 61.165,-23.133 61.165,-30.603 61.576,-31.013 66.497,-31.013 67.007,-31.524 U5_cdh11.1@67.007,-32.832 ; U19_cdh11.6@62.837,-22.542 U19_cdh11.6@63.157,-22.542
H1_OUT4_cdh12: U5_cdh12.1 U19_cdh12.6 | length 17.5
  Top Layer w0.254: U19_cdh12.6@52.398,-22.553 51.306,-22.553 50.726,-23.133 50.726,-30.323 51.441,-31.039 56.591,-31.039 57.007,-31.455 U5_cdh12.1@57.007,-32.832 ; U19_cdh12.6@52.398,-22.542 U19_cdh12.6@52.717,-22.542
H1_OUT4_cdh13: U5_cdh13.1 U19_cdh13.6 | length 17.7
  Top Layer w0.254: U19_cdh13.6@41.933,-22.553 40.841,-22.553 40.261,-23.133 40.261,-29.942 41.129,-30.81 44.24,-30.81 44.748,-31.318 46.787,-31.318 46.903,-31.435 U5_cdh13.1@46.903,-32.832 ; U19_cdh13.6@41.933,-22.542 U19_cdh13.6@42.252,-22.542
H1_OUT4_cdh14: U5_cdh14.1 U19_cdh14.6 | length 18.1
  Top Layer w0.254: U19_cdh14.6@31.493,-22.528 30.401,-22.528 29.822,-23.107 29.822,-30.177 30.175,-30.531 33.217,-30.531 34.131,-31.445 36.551,-31.445 37.007,-31.902 U5_cdh14.1@37.007,-32.832 ; U19_cdh14.6@31.493,-22.517 U19_cdh14.6@31.813,-22.517
H1_OUT4_cdh15: U5_cdh15.1 U19_cdh15.6 | length 18.2
  Top Layer w0.254: U19_cdh15.6@21.105,-22.553 20.013,-22.553 19.433,-23.133 19.433,-29.647 20.114,-30.328 22.343,-30.328 23.359,-31.344 26.518,-31.344 27.007,-31.833 U5_cdh15.1@27.007,-32.832 ; U19_cdh15.6@21.105,-22.542 U19_cdh15.6@21.424,-22.542
H1_OUT4_cdh16: U5_cdh16.1 U19_cdh16.6 | length 27.7
  Top Layer w0.254: U19_cdh16.6@2.078,-22.534 0.986,-22.534 0.406,-23.114 0.406,-29.693 1.295,-30.582 16.485,-30.582 17.007,-31.104 U5_cdh16.1@17.007,-32.832 ; U19_cdh16.6@2.078,-22.524 U19_cdh16.6@2.398,-22.524
JTCK: P3.4 U26.49 | length 9.1
  Bottom Layer w0.254: P3.4@1.803,-1.905 1.803,-0.94 2.092,-0.651 8.331,-0.651 8.645,-0.965 U26.49@8.645,-1.968
JTMS: P3.3 U26.46 | length 5.2
  Bottom Layer w0.254: P3.3@1.803,-4.445 2.846,-4.445 3.169,-4.768 U26.46@6.845,-4.768
NetC14_1: C14.1 D12.2 L1.1 U28.1 | length 19.5
  Top Layer w0.762: v2(152.019,-7.772) 153.238,-7.772 153.975,-8.509 153.975,-9.576 154.737,-10.338 L1.1@157.455,-10.338 157.759,-10.643 v2(163.017,-10.643)
  Bottom Layer w0.762: U28.1@148.666,-9.474 148.666,-8.153 149.035,-7.785 C14.1@150.444,-7.785 150.457,-7.772 v2(152.019,-7.772) ; v2(163.017,-10.643) D12.2@163.017,-8.831
NetC14_2: C14.2 U28.8 | length 3.3
  Bottom Layer w0.508: U28.8@148.666,-4.394 148.666,-5.766 149.085,-6.185 C14.2@150.444,-6.185
NetC16_1: C16.1 U26.6 Y1.1 | length 13.6
  Bottom Layer w0.254: U26.6@17.945,-6.268 26.625,-6.268 26.967,-5.926 Y1.1@26.967,-4.648 26.967,-3.132 27.47,-2.629 C16.1@27.47,-1.702
NetC17_1: C17.1 U26.5 Y1.2 | length 8.4
  Bottom Layer w0.254: U26.5@17.945,-5.768 21.493,-5.768 22.867,-4.394 22.867,-3.106 22.389,-2.628 C17.1@22.389,-1.676
NetC18_2: C18.2 R113.1 U26.7 | length 15.2
  Bottom Layer w0.254: U26.7@17.945,-6.768 29.554,-6.768 29.947,-6.375 C18.2@29.947,-5.296 R113.1@31.877,-5.296
NetC22_1: C22.1 F10.2 R107.1 U28.7 | length 45
  Top Layer w0.508: F10.2@111.699,-3.271 v2@111.699,-1.336
  Bottom Layer w0.508: v2(111.684,-1.321) 112.471,-0.533 134.442,-0.533 135.103,-1.194 135.103,-3.178 135.41,-3.485 C22.1@139.182,-3.485 139.835,-2.832 R107.1@141.63,-2.832 142.964,-2.832 143.459,-3.327 143.459,-5.766 143.891,-6.198 147.041,-6.198 147.396,-5.842 U28.7@147.396,-4.394
NetC23_1: C23.1 R112.1 | length 2
  Bottom Layer w0.508: C23.1@150.47,-9.538 152.425,-9.538 R112.1@152.451,-9.512
NetC23_2: C23.2 U28.3 | length 5.8
  Bottom Layer w0.508: U28.3@146.126,-9.474 146.126,-10.744 146.52,-11.138 C23.2@150.47,-11.138 C23.2@150.455,-11.123
NetD10_A: D10.A R106.2 | length 2.6
  Top Layer w0.254: v1(105.346,-4.178) 106.77,-4.178 D10.A@106.782,-4.167
  Bottom Layer w0.254: R106.2@104.165,-4.178 v1(105.346,-4.178)
NetD11_2: D11.2 F10.1 | length 3.8
  Top Layer w0.762: v2(109.753,-6.706) 111.693,-6.706 F10.1@111.699,-6.7
  Bottom Layer w0.762: D11.2@107.942,-6.706 v2(109.753,-6.706)
NetD14_2: D14.2 F11.2 R105.2 U27.7 | length 18.5
  Top Layer w0.254: v1(71.78,-6.375) D14.2@74.03,-6.375 F11.2@79.004,-6.375
  Bottom Layer w0.254: U27.7@61.884,-4.623 64.605,-4.623 65.049,-5.067 65.049,-6.121 65.303,-6.375 v1(71.78,-6.375)
NetD15_2: D15.2 F12.2 R105.1 U27.6 | length 18.4
  Top Layer w0.254: v1(71.857,-2.261) D15.2@74.03,-2.261 F12.2@79.105,-2.261
  Bottom Layer w0.254: U27.6@61.884,-3.353 64.935,-3.353 65.049,-3.467 65.049,-2.438 65.227,-2.261 v1(71.857,-2.261)
NetR3_cdh1_1: R3_cdh1.1 R14_cdh1.1 U19_cdh1.2 | length 8.3
  Top Layer w0.254: v1(99.124,-17.641) 99.124,-19.724 99.323,-19.923 U19_cdh1.2@100.288,-19.923
  Bottom Layer w0.254: v1(99.124,-17.641) 102.266,-17.641 R14_cdh1.1@102.299,-17.608 R3_cdh1.1@102.299,-15.795
NetR3_cdh1_2: R3_cdh1.2 R4_cdh1.1 U19_cdh1.1 | length 10.2
  Top Layer w0.254: U19_cdh1.1@100.288,-19.273 101.227,-19.273 101.461,-19.038 v1(101.461,-14.288)
  Bottom Layer w0.254: v1(101.461,-14.288) 103.112,-14.288 103.315,-14.492 103.315,-15.66 103.45,-15.795 R4_cdh1.1@104.287,-15.795
NetR3_cdh2_1: R3_cdh2.1 R14_cdh2.1 U19_cdh2.2 | length 8.3
  Top Layer w0.254: v1(109.589,-17.641) 109.589,-19.724 109.788,-19.923 U19_cdh2.2@110.753,-19.923
  Bottom Layer w0.254: v1(109.589,-17.641) 112.731,-17.641 R14_cdh2.1@112.764,-17.608 R3_cdh2.1@112.764,-15.795
NetR3_cdh2_2: R3_cdh2.2 R4_cdh2.1 U19_cdh2.1 | length 10.2
  Top Layer w0.254: U19_cdh2.1@110.753,-19.273 111.692,-19.273 111.926,-19.038 v1(111.926,-14.288)
  Bottom Layer w0.254: v1(111.926,-14.288) 113.577,-14.288 113.78,-14.492 113.78,-15.66 113.915,-15.795 R4_cdh2.1@114.752,-15.795
NetR3_cdh3_1: R3_cdh3.1 R14_cdh3.1 U19_cdh3.2 | length 8.3
  Top Layer w0.254: v1(120.13,-17.641) 120.13,-19.724 120.329,-19.923 U19_cdh3.2@121.294,-19.923
  Bottom Layer w0.254: v1(120.13,-17.641) 123.272,-17.641 R14_cdh3.1@123.305,-17.608 R3_cdh3.1@123.305,-15.795
NetR3_cdh3_2: R3_cdh3.2 R4_cdh3.1 U19_cdh3.1 | length 10.2
  Top Layer w0.254: U19_cdh3.1@121.294,-19.273 122.233,-19.273 122.467,-19.038 v1(122.467,-14.288)
  Bottom Layer w0.254: v1(122.467,-14.288) 124.118,-14.288 124.321,-14.492 124.321,-15.66 124.456,-15.795 R4_cdh3.1@125.293,-15.795
NetR3_cdh4_1: R3_cdh4.1 R14_cdh4.1 U19_cdh4.2 | length 8.3
  Top Layer w0.254: v1(130.747,-17.667) 130.747,-19.749 130.946,-19.948 U19_cdh4.2@131.911,-19.948
  Bottom Layer w0.254: v1(130.747,-17.667) 133.889,-17.667 R14_cdh4.1@133.922,-17.633 R3_cdh4.1@133.922,-15.82
NetR3_cdh4_2: R3_cdh4.2 R4_cdh4.1 U19_cdh4.1 | length 10.2
  Top Layer w0.254: U19_cdh4.1@131.911,-19.298 132.85,-19.298 133.084,-19.064 v1(133.084,-14.314)
  Bottom Layer w0.254: v1(133.084,-14.314) 134.735,-14.314 134.938,-14.517 134.938,-15.685 135.073,-15.82 R4_cdh4.1@135.91,-15.82
NetR3_cdh5_1: R3_cdh5.1 R14_cdh5.1 U19_cdh5.2 | length 8.3
  Top Layer w0.254: v1(141.415,-17.641) 141.415,-19.724 141.614,-19.923 U19_cdh5.2@142.579,-19.923
  Bottom Layer w0.254: v1(141.415,-17.641) 144.557,-17.641 R14_cdh5.1@144.59,-17.608 R3_cdh5.1@144.59,-15.795
NetR3_cdh5_2: R3_cdh5.2 R4_cdh5.1 U19_cdh5.1 | length 10.2
  Top Layer w0.254: U19_cdh5.1@142.579,-19.273 143.518,-19.273 143.752,-19.038 v1(143.752,-14.288)
  Bottom Layer w0.254: v1(143.752,-14.288) 145.403,-14.288 145.606,-14.492 145.606,-15.66 145.741,-15.795 R4_cdh5.1@146.578,-15.795
NetR3_cdh6_1: R3_cdh6.1 R14_cdh6.1 U19_cdh6.2 | length 8.3
  Top Layer w0.254: v1(152.033,-17.641) 152.033,-19.724 152.231,-19.923 U19_cdh6.2@153.196,-19.923
  Bottom Layer w0.254: v1(152.033,-17.641) 155.174,-17.641 R14_cdh6.1@155.208,-17.608 R3_cdh6.1@155.208,-15.795
NetR3_cdh6_2: R3_cdh6.2 R4_cdh6.1 U19_cdh6.1 | length 10.2
  Top Layer w0.254: U19_cdh6.1@153.196,-19.273 154.135,-19.273 154.369,-19.038 v1(154.369,-14.288)
  Bottom Layer w0.254: v1(154.369,-14.288) 156.02,-14.288 156.224,-14.492 156.224,-15.66 156.359,-15.795 R4_cdh6.1@157.195,-15.795
NetR3_cdh7_1: R3_cdh7.1 R14_cdh7.1 U19_cdh7.2 | length 8.3
  Top Layer w0.254: v1(162.599,-17.641) 162.599,-19.724 162.798,-19.923 U19_cdh7.2@163.763,-19.923
  Bottom Layer w0.254: v1(162.599,-17.641) 165.741,-17.641 R14_cdh7.1@165.774,-17.608 R3_cdh7.1@165.774,-15.795
NetR3_cdh7_2: R3_cdh7.2 R4_cdh7.1 U19_cdh7.1 | length 10.2
  Top Layer w0.254: U19_cdh7.1@163.763,-19.273 164.701,-19.273 164.936,-19.038 v1(164.936,-14.288)
  Bottom Layer w0.254: v1(164.936,-14.288) 166.587,-14.288 166.79,-14.492 166.79,-15.66 166.925,-15.795 R4_cdh7.1@167.762,-15.795
NetR3_cdh8_1: R3_cdh8.1 R14_cdh8.1 U19_cdh8.2 | length 8.3
  Top Layer w0.254: v1(181.166,-17.641) 181.166,-19.724 181.365,-19.923 U19_cdh8.2@182.33,-19.923
  Bottom Layer w0.254: v1(181.166,-17.641) 184.308,-17.641 R14_cdh8.1@184.341,-17.608 R3_cdh8.1@184.341,-15.795
NetR3_cdh8_2: R3_cdh8.2 R4_cdh8.1 U19_cdh8.1 | length 10.2
  Top Layer w0.254: U19_cdh8.1@182.33,-19.273 183.269,-19.273 183.503,-19.038 v1(183.503,-14.288)
  Bottom Layer w0.254: v1(183.503,-14.288) 185.154,-14.288 185.357,-14.492 185.357,-15.66 185.492,-15.795 R4_cdh8.1@186.329,-15.795
NetR3_cdh9_1: R3_cdh9.1 R14_cdh9.1 U19_cdh9.2 | length 8.3
  Top Layer w0.254: v1(82.728,-17.653) 82.728,-19.736 82.926,-19.934 U19_cdh9.2@83.891,-19.934
  Bottom Layer w0.254: v1(82.728,-17.653) 85.869,-17.653 R14_cdh9.1@85.903,-17.62 R3_cdh9.1@85.903,-15.807
NetR3_cdh9_2: R3_cdh9.2 R4_cdh9.1 U19_cdh9.1 | length 10.2
  Top Layer w0.254: U19_cdh9.1@83.891,-19.284 84.83,-19.284 85.065,-19.05 v1(85.065,-14.3)
  Bottom Layer w0.254: v1(85.065,-14.3) 86.716,-14.3 86.919,-14.503 86.919,-15.672 87.054,-15.807 R4_cdh9.1@87.89,-15.807
NetR3_cdh10_1: R3_cdh10.1 R14_cdh10.1 U19_cdh10.2 | length 8.3
  Top Layer w0.254: v1(72.164,-17.646) 72.164,-19.729 72.362,-19.928 U19_cdh10.2@73.327,-19.928
  Bottom Layer w0.254: v1(72.164,-17.646) 75.305,-17.646 R14_cdh10.1@75.339,-17.613 R3_cdh10.1@75.339,-15.8
NetR3_cdh10_2: R3_cdh10.2 R4_cdh10.1 U19_cdh10.1 | length 10.2
  Top Layer w0.254: U19_cdh10.1@73.327,-19.278 74.266,-19.278 74.5,-19.043 v1(74.5,-14.293)
  Bottom Layer w0.254: v1(74.5,-14.293) 76.151,-14.293 76.355,-14.497 76.355,-15.665 76.49,-15.8 R4_cdh10.1@77.326,-15.8
NetR3_cdh11_1: R3_cdh11.1 R14_cdh11.1 U19_cdh11.2 | length 8.3
  Top Layer w0.254: v1(61.673,-17.672) 61.673,-19.754 61.872,-19.953 U19_cdh11.2@62.837,-19.953
  Bottom Layer w0.254: v1(61.673,-17.672) 64.815,-17.672 R14_cdh11.1@64.848,-17.638 R3_cdh11.1@64.848,-15.825
NetR3_cdh11_2: R3_cdh11.2 R4_cdh11.1 U19_cdh11.1 | length 10.2
  Top Layer w0.254: U19_cdh11.1@62.837,-19.303 63.776,-19.303 64.01,-19.069 v1(64.01,-14.319)
  Bottom Layer w0.254: v1(64.01,-14.319) 65.661,-14.319 65.864,-14.522 65.864,-15.69 65.999,-15.825 R4_cdh11.1@66.836,-15.825
NetR3_cdh12_1: R3_cdh12.1 R14_cdh12.1 U19_cdh12.2 | length 8.3
  Top Layer w0.254: v1(51.234,-17.672) 51.234,-19.754 51.433,-19.953 U19_cdh12.2@52.398,-19.953
  Bottom Layer w0.254: v1(51.234,-17.672) 54.376,-17.672 R14_cdh12.1@54.409,-17.638 R3_cdh12.1@54.409,-15.825
NetR3_cdh12_2: R3_cdh12.2 R4_cdh12.1 U19_cdh12.1 | length 10.2
  Top Layer w0.254: U19_cdh12.1@52.398,-19.303 53.336,-19.303 53.571,-19.069 v1(53.571,-14.319)
  Bottom Layer w0.254: v1(53.571,-14.319) 55.222,-14.319 55.425,-14.522 55.425,-15.69 55.56,-15.825 R4_cdh12.1@56.397,-15.825
NetR3_cdh13_1: R3_cdh13.1 R14_cdh13.1 U19_cdh13.2 | length 8.3
  Top Layer w0.254: v1(40.769,-17.672) 40.769,-19.754 40.968,-19.953 U19_cdh13.2@41.933,-19.953
  Bottom Layer w0.254: v1(40.769,-17.672) 43.911,-17.672 R14_cdh13.1@43.944,-17.638 R3_cdh13.1@43.944,-15.825
NetR3_cdh13_2: R3_cdh13.2 R4_cdh13.1 U19_cdh13.1 | length 10.2
  Top Layer w0.254: U19_cdh13.1@41.933,-19.303 42.872,-19.303 43.106,-19.069 v1(43.106,-14.319)
  Bottom Layer w0.254: v1(43.106,-14.319) 44.757,-14.319 44.96,-14.522 44.96,-15.69 45.095,-15.825 R4_cdh13.1@45.932,-15.825
NetR3_cdh14_1: R3_cdh14.1 R14_cdh14.1 U19_cdh14.2 | length 8.3
  Top Layer w0.254: v1(30.33,-17.646) 30.33,-19.729 30.528,-19.928 U19_cdh14.2@31.493,-19.928
  Bottom Layer w0.254: v1(30.33,-17.646) 33.471,-17.646 R14_cdh14.1@33.505,-17.613 R3_cdh14.1@33.505,-15.8